# Altium PCB stencil V2.0.PcbDoc (part 1 of 4)
Units mm, origin at the board's own origin, x right, y up, seen from the top; angles counter-clockwise.
Board outline 50 x 79.06 mm, 2 copper layers (Top Layer, Bottom Layer); 235 components, 68 nets, 1097 pads, 384 vias.
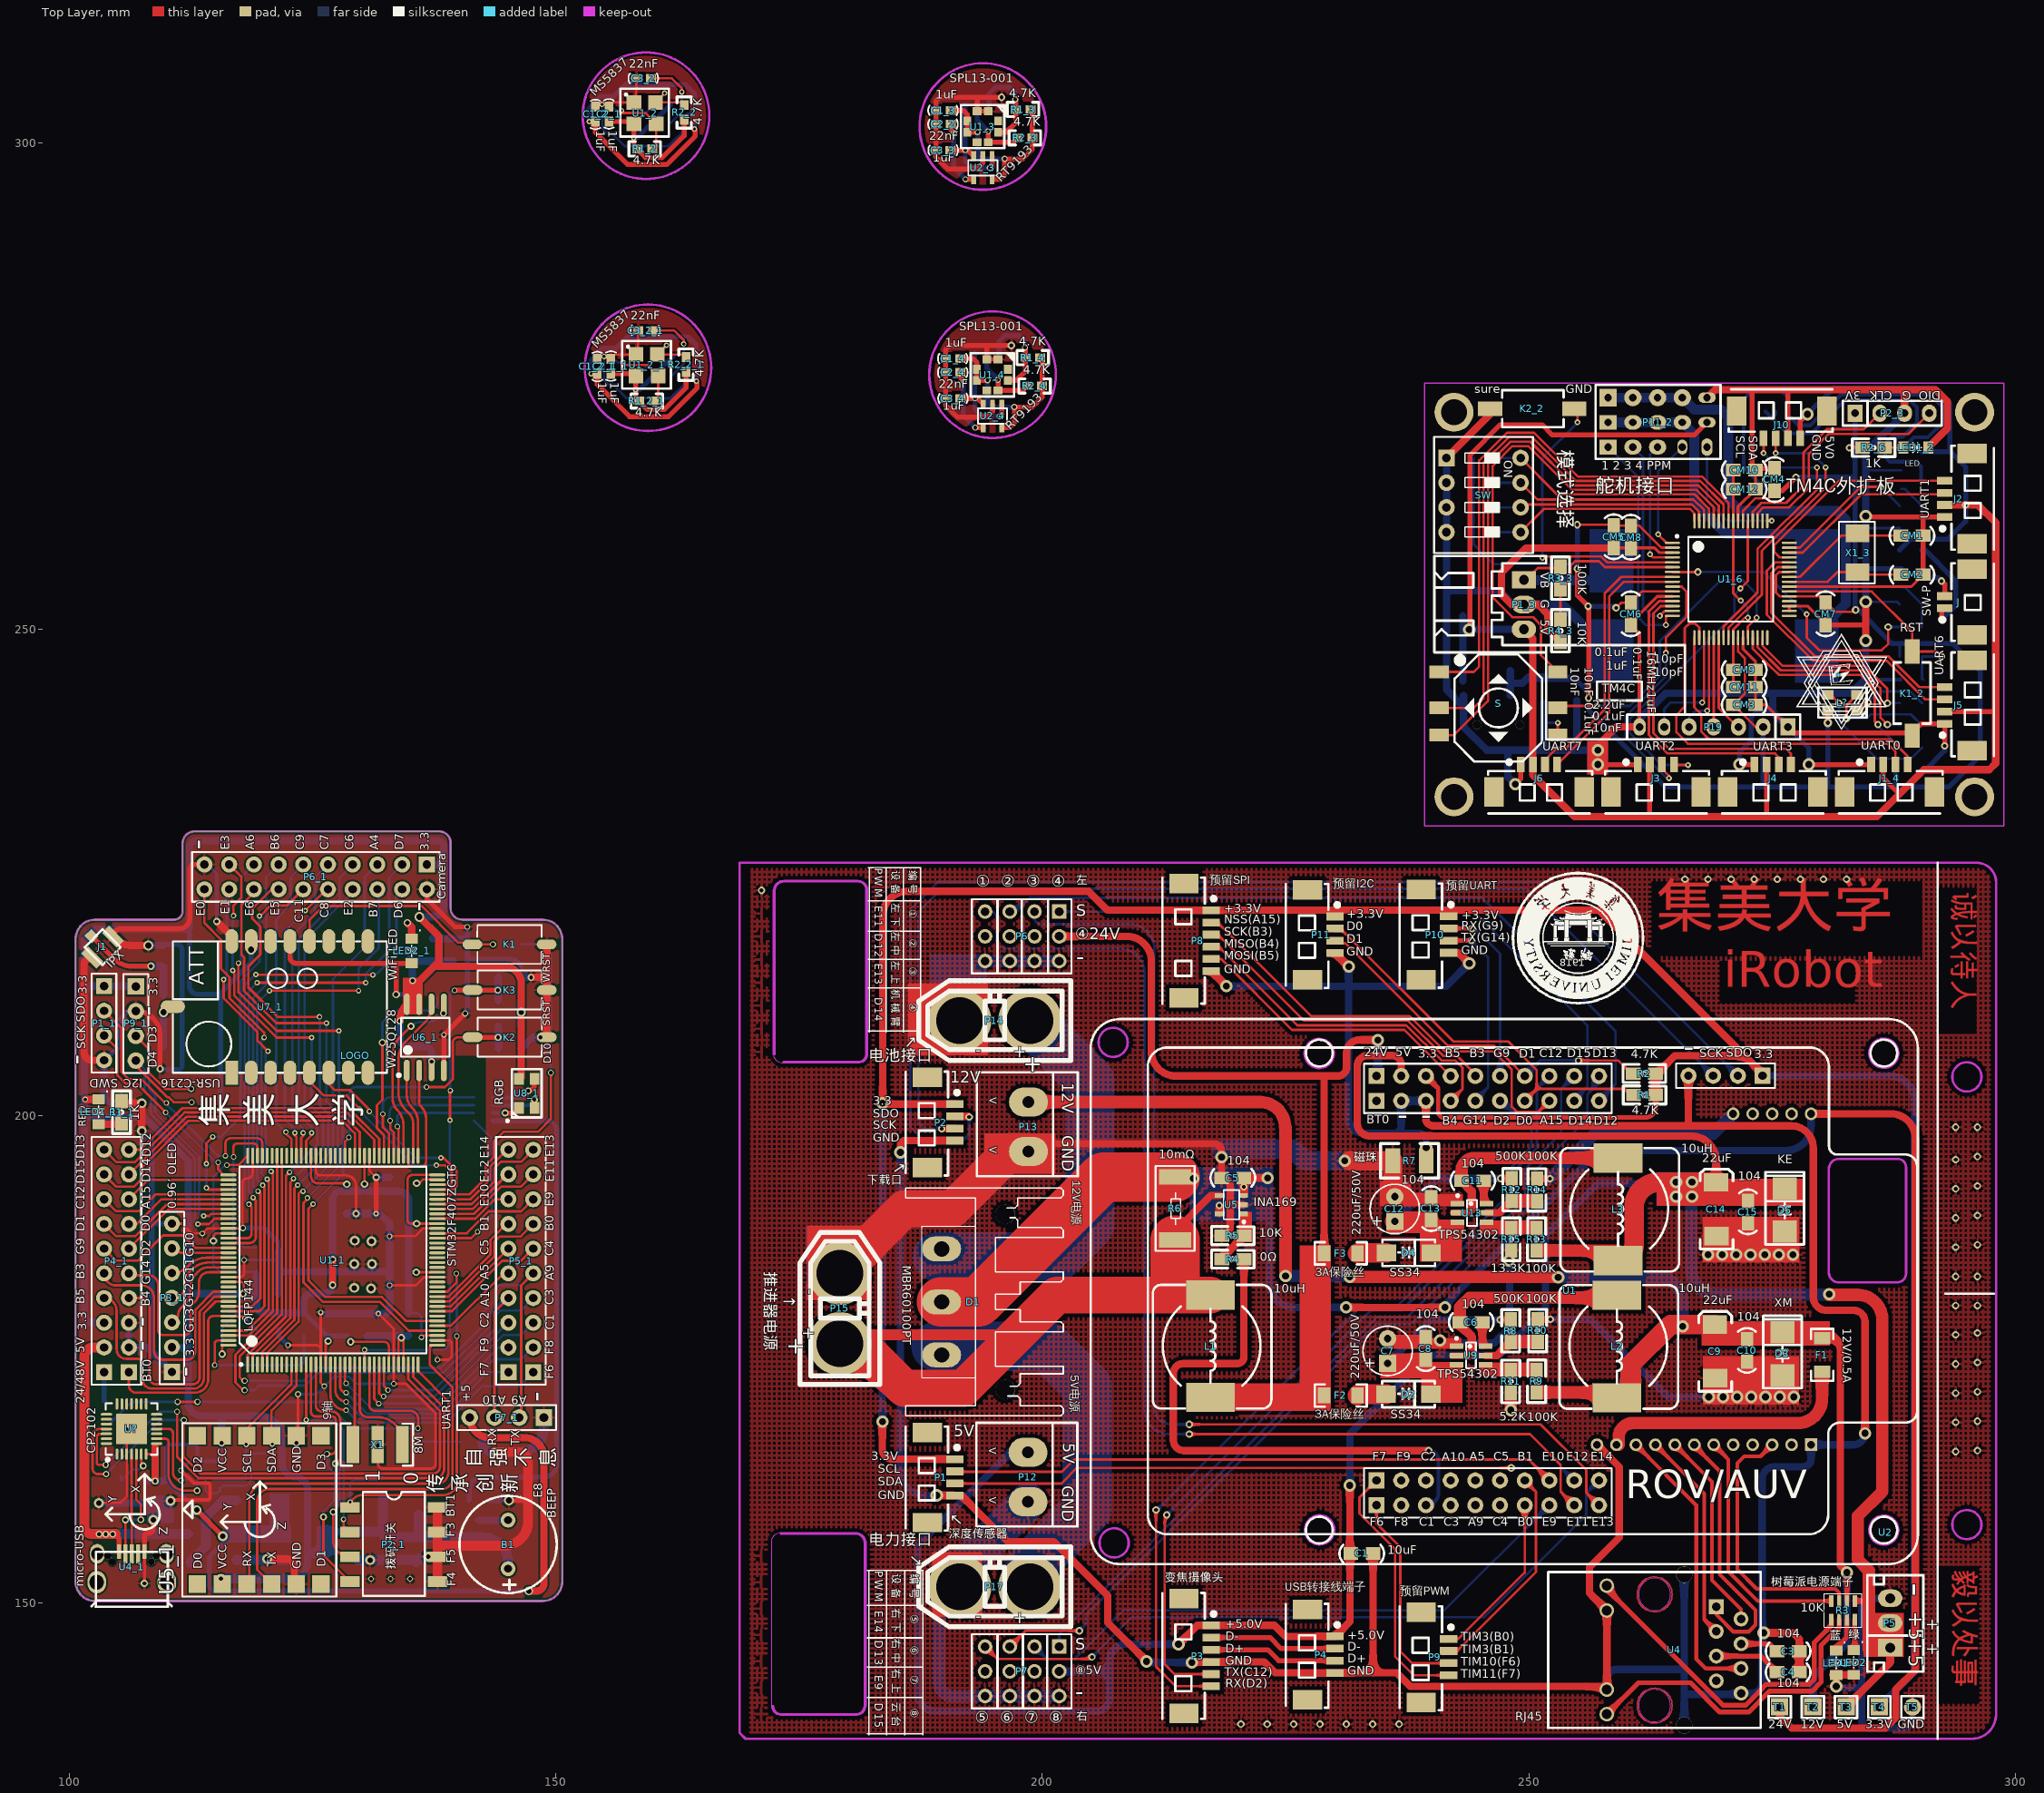
[diagram p0: Top Layer view]
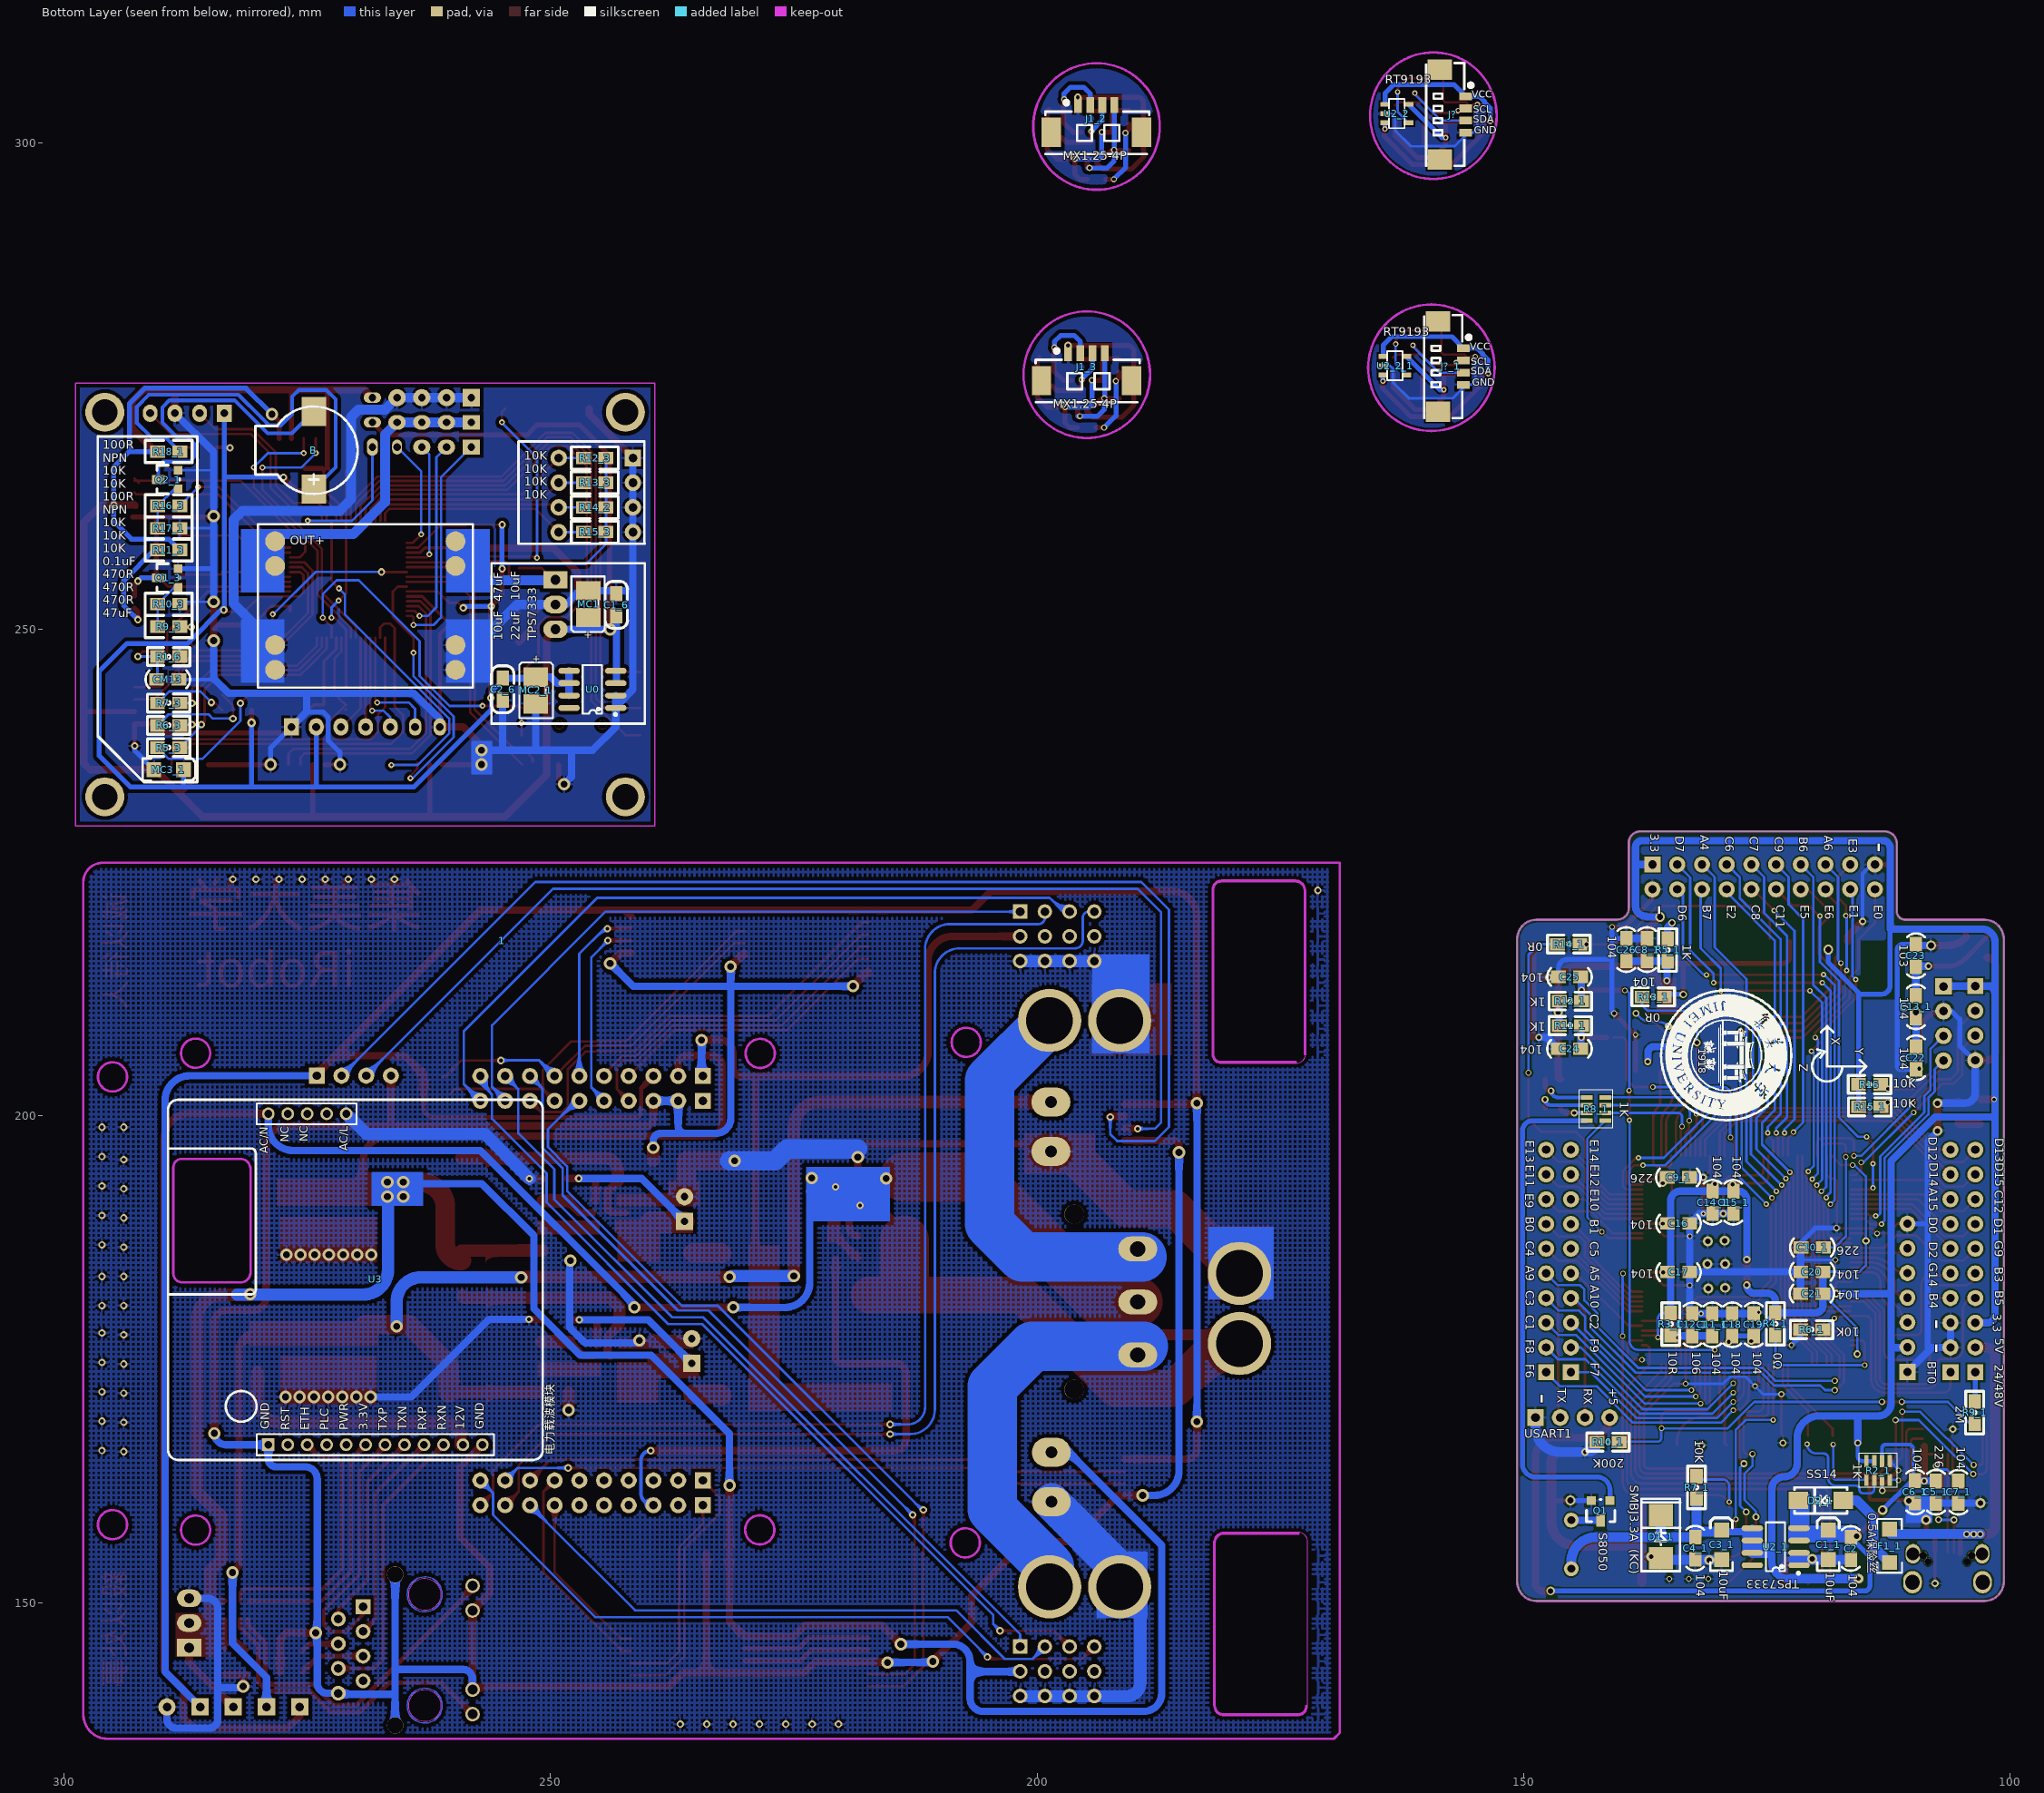
[diagram p1: Bottom Layer view, seen from below]

## Layer stack, top to bottom
Top Solder: solder mask 0.0102, Solder Resist, Dk 3.5
Top Layer: signal copper 0.0356
Dielectric 1: dielectric 0.32, FR-4, Dk 4.8
Bottom Layer: signal copper 0.0356
Bottom Solder: solder mask 0.0102, Solder Resist, Dk 3.5

## Board outline
102.664,150.154 cw(c102.664,152.154) 100.664,152.154 100.664,218.154 cw(c102.664,218.154) 102.664,220.154 110.812,220.154 ccw(c110.812,220.999) 111.657,220.999 111.657,227.985 cw(c112.887,227.985) 112.887,229.215 138.04,229.215 cw(c138.04,228.064) 139.191,228.064 139.191,221.341 ccw(c140.378,221.341) 140.378,220.154 148.664,220.154 cw(c148.664,218.154) 150.664,218.154 150.664,152.154 cw(c148.664,152.154) 148.664,150.154
cut-out: 293.5,204 ccw(c295,204) 295,202.5 ccw(c295,204) 296.5,204 ccw(c295,204) 295,205.5 ccw(c295,204)
cut-out: 293.5,158 ccw(c295,158) 295,156.5 ccw(c295,158) 296.5,158 ccw(c295,158) 295,159.5 ccw(c295,158)
cut-out: 172.191,139.367 172.191,156.259 cw(c172.318,156.259) 172.192,156.272 cw(c173.157,156.234) 173.157,157.2 180.828,157.2 cw(c180.828,156.147) 181.866,156.316 cw(c181.753,156.259) 181.88,156.259 181.88,139.434 cw(c180.813,139.434) 180.813,138.366 173.192,138.366 cw(c173.192,139.367)
cut-out: 173.415,205.385 cw(c173.415,206.438) 172.377,206.269 cw(c172.49,206.326) 172.363,206.326 172.363,223.151 cw(c173.43,223.151) 173.43,224.219 181.051,224.219 cw(c181.051,223.218) 182.052,223.218 182.052,206.326 cw(c181.925,206.326) 182.051,206.313 cw(c181.086,206.351) 181.086,205.385
cut-out: 205.875,156.125 cw(c207.375,156.125) 207.375,157.625 cw(c207.375,156.125) 208.875,156.125 cw(c207.375,156.125) 207.375,154.625 cw(c207.375,156.125)
cut-out: 205.782,207.596 ccw(c207.282,207.596) 207.282,206.096 ccw(c207.282,207.596) 208.782,207.596 ccw(c207.282,207.596) 207.282,209.096 ccw(c207.282,207.596)

## Design rules (kind name [scope] priority, off if disabled: settings)
Clearance [All] p1: gap=0.203
ComponentClearance [All] p1: gap=0 collisioncheckmode=3 verticalgap=0 showdistances=FALSE
DiffPairsRouting [All] p1: maxlimit=0.254 minlimit=0.254 mostfreqgap=0.254 toplayer_minwidth=0.381 toplayer_maxwidth=0.381 toplayer_prefwidth=0.381 bottomlayer_minwidth=0.381 bottomlayer_maxwidth=0.381 bottomlayer_prefwidth=0.381 maxuncoupledlength=12.7
PolygonConnect [All] p1: connectstyle=Relief reliefconductorwidth=0.254 reliefentries=4 polygonreliefangle="90 Angle" airgapwidth=0.254
RoutingVias [All] p1: holewidth=0.711 width=1.27 viastyle="Through Hole" minholewidth=0.711 minwidth=1.27 maxholewidth=0.711 maxwidth=1.27
SolderMaskExpansion [All] p1: expansion=0.102
Width [All] p1: maxlimit=5.08 minlimit=0.254 preferedwidth=0.254
28 further rules are at their usual default settings.

## Classes and differential pairs
component class "Robot-Control V3.0": 1 C1 C3 C4 F1 LED1 LED2 P1 P2 P3 P4 P5 P6 P7 P8 P9 P10 P11 P12 P13 R1 R2 R3 U1 U2 U3 U4
component class "Robot-Power V3.0": C5 C6 C7 C8 C9 C10 C11 C12 C13 C14 C15 D1 D2 D3 D4 D5 F2 F3 L1 L2 L3 P14 P15 P17 R4 R5 R6 R7 R8 R9 R10 R11 R12 R13 R14 R15 T1 T2 T3 T4 T5 U5 U8 U9 U10 U11 U13 U?
differential pair EPHY_RX: +EPHY_RX_P -EPHY_RX_N
differential pair EPHY_TX: +EPHY_TX_P -EPHY_TX_N

## Components (designator, comment, footprint, x,y, rotation, side; value= is the part's Value field where it differs from the comment)
1 "" JMU_LOGO(1.35cm) 255,218 r180 bottom
* "Component_1" logo 281.865,245.135 r0 top locked
B "BUZZ" MLT-9032 274.321,268.376 r270 bottom
B1 "BEEP" BUZZER 145.109,155.969 r90 top
C1 "10uF" 0805C#1 233.858,155.042 r180 top
C1_1 "10uF" TAJ-A 118.702,157.454 r90 bottom (schematic designator C1)
C1_2 "1uF" 0603C 161.234,301.204 r270 top (schematic designator C1)
C1_2_1 "1uF" 0603C 161.434,275.304 r270 top (schematic designator C1)
C1_3 "1uF" 0603C 188.122,296.132 r180 top (schematic designator C1)
C1_4 "1uF" 0603C 189.122,270.632 r180 top (schematic designator C1)
C1_6 "10uF" 0805C#2 243.221,253.626 r270 bottom (schematic designator C1)
C2 "104" 0805C#1 116.379,154.525 r90 bottom
C2_1 "1uF" 0603C 148.305,304.608 r90 top (schematic designator C2)
C2_1_1 "1uF" 0603C 148.505,278.708 r90 top (schematic designator C2)
C2_2 "22nF" 0603C 188.122,294.71 r180 top (schematic designator C2)
C2_4 "22nF" 0603C 189.122,269.21 r180 top (schematic designator C2)
C2_6 "10uF" 0805C#2 254.916,242.696 r90 bottom (schematic designator C2)
C3 "104" 0805C#1 277.659,145 r180 top
C3_1 "10uF" TAJ-A 129.664,157.454 r90 bottom (schematic designator C3)
C3_2 "22nF" 0603C 157.322,299.426 r180 top (schematic designator C3)
C3_2_1 "22nF" 0603C 157.522,273.526 r180 top (schematic designator C3)
C3_3 "1uF" 0603C 191.5,306.369 r0 top (schematic designator C3)
C3_4 "1uF" 0603C 192.5,280.869 r0 top (schematic designator C3)
C4 "104" 0805C#1 277.659,142.841 r180 top
C4_1 "104" 0805C#1 132.364,154.554 r90 bottom (schematic designator C4)
C5 "104" 0805C#1 218.547,193.624 r0 top
C5_1 "226" 0805C#1 107.638,162.357 r270 bottom (schematic designator C5)
C6 "104" 0805C#1 243.052,178.791 r0 top
C6_1 "104" 0805C#1 109.777,162.388 r270 bottom (schematic designator C6)
C7 "220uF/50V" RB.1.2 235.482,174.574 r90 top
C7_1 "104" 0805C#1 105.338,162.357 r270 bottom (schematic designator C7)
C8 "104" 0805C#1 239.394,177.114 r270 top
C8_1 "104" 0805C#1 137.311,216.058 r90 bottom (schematic designator C8)
C9 "22uF" TAJ-C 269.112,178.562 r90 top
C9_1 "226" 0805C#1 133.069,193.68 r0 bottom (schematic designator C9)
C10 "104" 0805C#1 272.414,174.879 r90 top
C10_1 "226" 0805C#1 121.354,186.467 r180 bottom (schematic designator C10)
C11 "104" 0805C#1 243.204,193.319 r0 top
C11_1 "104" 0805C#1 130.614,179.554 r270 bottom (schematic designator C11)
C12 "220uF/50V" RB.1.2 236.219,189.154 r90 top
C12_1 "106" 0805C#1 132.664,179.554 r270 bottom (schematic designator C12)
C13 "104" 0805C#1 239.953,191.491 r270 top
C13_1 "104" 0805C#1 109.701,212.234 r270 bottom (schematic designator C13)
C14 "22uF" TAJ-C 269.239,193.167 r90 top
C14_1 "104" 0805C#1 130.58,190.099 r90 bottom (schematic designator C14)
C15 "104" 0805C#1 272.516,189.103 r90 top
C15_1 "104" 0805C#1 128.446,190.099 r90 bottom (schematic designator C15)
C16 "104" 0805C#1 133.064,188.954 r0 bottom
C17 "104" 0805C#1 133.064,183.952 r0 bottom
C18 "104" 0805C#1 128.564,179.554 r270 bottom
C19 "104" 0805C#1 126.364,179.554 r270 bottom
C20 "104" 0805C#1 121.385,183.978 r180 bottom
C21 "104" 0805C#1 121.411,181.717 r180 bottom
C22 "104" 0805C#1 109.676,204.933 r90 bottom
C23 "103" 0805C#1 109.701,217.48 r270 bottom
C24 "104" 0805C#1 144.259,206.902 r0 bottom
C25 "104" 0805C#1 144.259,214.278 r0 bottom
C26 "104" 0805C#1 139.445,216.058 r90 bottom
CM1 "10pF" 0805C#1 290.385,259.606 r180 top
CM2 "10pF" 0805C#1 290.385,255.606 r180 top
CM3 "10nF" 0805C#1 273.157,242.239 r180 top
CM4 "0.1uF" 0805C#1 275.236,266.394 r270 top
CM5 "10nF" 0805C#1 258.726,258.47 r90 top
CM6 "0.1uF" 0805C#1 260.478,250.545 r90 top
CM7 "1uF" 0805C#1 280.493,250.545 r90 top
CM8 "10nF" 0805C#1 260.478,258.419 r90 top
CM9 "2.2uF" 0805C#1 273.157,245.825 r180 top
CM10 "0.1uF" 0805C#1 273.157,266.344 r180 top
CM11 "0.1uF" 0805C#1 273.157,244.032 r180 top
CM12 "1uF" 0805C#1 273.157,264.388 r180 top
CM13 "0.1uF" 0805C#1 290.349,244.83 r180 bottom
D1 "MBR60100PT" TO-247LS 196.2,189.875 r270 top
D1_1 "SMBJ3.3A  (KC)" SMBJ 135.864,154.554 r0 bottom (schematic designator D1)
D2 "SS34" SMA/DO-214AC 235.508,171.374 r0 top
D2_1 "SS14" SMA/DO-214AC 117.347,160.508 r0 bottom (schematic designator D2)
D3 "XM" SMBJ 276.097,173.355 r180 top
D4 "SS34" SMA/DO-214AC 235.533,185.903 r0 top
D5 "KE" SMBJ 276.326,188.112 r180 top
F1 "12V/0.5A" FUSE-1206 280.175,177.125 r270 top
F1_1 "0.5A保险丝" 1206R 112.444,155.86 r270 bottom (schematic designator F1)
F2 "3A保险丝" FUSE-1206 228.98,171.323 r0 top
F3 "3A保险丝" FUSE-1206 228.98,185.928 r0 top
J "SW-P" MX1.25WS-2P 295.544,252.78 r90 top locked (schematic designator J?)
J1 "IPX" IPX天线底座 102.284,218.555 r315 top
J1_2 "MX1.25-4P" MX1.25-4P 269.347,280.342 r0 top (schematic designator J1)
J1_3 "MX1.25-4P" MX1.25-4P 270.347,254.842 r0 top (schematic designator J1)
J1_4 "UART0" MX1.25WS-4P#1 287.059,233.282 r0 top locked (schematic designator J1)
J2 "UART1" MX1.25WS-4P#1 295.544,263.4 r90 top locked
J3 "UART2" MX1.25WS-4P#1 263.059,233.282 r0 top locked
J4 "UART3" MX1.25WS-4P#1 275.059,233.282 r0 top locked
J5 "UART6" MX1.25WS-4P#1 295.544,242.172 r90 top locked
J6 "UART7" MX1.25WS-4P#1 251.044,233.282 r0 top locked
J10 "UART7" MX1.25WS-4P#1 275.972,272.414 r180 top locked
J? "MX1.25-4P" MX1.25S-4P 158.237,302.862 r270 bottom locked
J?_1 "MX1.25-4P" MX1.25S-4P 158.437,276.962 r270 bottom locked (schematic designator J?)
K1 "WRST" 贴片按键 148.919,217.683 r180 top
K1_2 "RST" SMD-3X6X4.3 289.383,247.7 r270 top (schematic designator K1)
K2 "D10" 贴片按键 141.604,207.998 r0 top
K2_2 "sure" SMD-3X6X4.3 254.662,272.643 r180 top (schematic designator K2)
K3 "SRST" 贴片按键 141.604,212.85 r0 top
L1 "10uH" CDRH124 215.113,179.121 r270 top
L2 "10uH" CDRH124 256.896,179.095 r270 top
L3 "10uH" CDRH124 256.997,193.192 r270 top
L? "RGB" RGB-3528 280.747,243.23 r0 top locked
LED1 "蓝" 0805LED(RED) 281.7,144.998 r270 top
LED1_1 "RED" 0805LED(RED) 103.173,201.605 r270 top (schematic designator LED1)
LED1_2 "LED" 0805LED(RED) 288.568,268.787 r0 top (schematic designator LED1)
LED2 "绿" 0805LED(RED) 283.515,145.034 r270 top
LED2_1 "WiFi-LED" 0805LED(GREEN) 135.254,218.166 r270 top (schematic designator LED2)
LOGO "JMU_LOGO" JMU_LOGO(1.35cm) 129.437,206.177 r270 top
MC1 "47uF" TAJ-B/3528 246.203,252.501 r90 bottom
MC2_1 "22uF" TAJ-B/3528 251.41,243.788 r270 bottom (schematic designator MC2)
MC3_1 "47uF" TAJ-A 287.707,235.559 r180 bottom (schematic designator MC3)
OUT+ "MP1584EN模块" MP1854底座 259.792,245.824 r0 bottom locked (schematic designator DC-DC)
P1 "深度传感器" MX1.25WS-4P#2 188.265,167.513 r270 top
P1_1 "SWD" "Header 4" 103.564,213.354 r0 top (schematic designator P1)
P1_3 "VB   G   5V" XH3/2.54mm/90 249.48,255.066 r270 top locked (schematic designator P1)
P2 "下载口" MX1.25WS-4P#2 188.265,203.987 r270 top
P2_1 "拨码开关" 拨码开关(4位贴片) 128.954,159.652 r0 top (schematic designator P2)
P2_3 "Pin HDR1X4" "Pin HDR1X4/2.54mm-S" 283.516,272.186 r90 top locked (schematic designator P2)
P3 "变焦摄像头" MX1.25WS-6P 214.63,150.322 r270 top
P3_1 "0.96‘ OLED" "Header 7" 110.565,181.336 r180 top (schematic designator P3)
P4 "USB转接线端子" MX1.25WS-4P#2 227.33,149.306 r270 top
P4_1 "" "Header 10X2"#1 106.115,173.654 r180 top (schematic designator P4)
P5 "树莓派电源端子" XH3/2.54mm/180 287.2,145.4 r90 top
P5_1 "" "Header 10X2"#1 147.664,173.654 r180 top (schematic designator P5)
P6 "左" "Header 4X3" 201.76,220.98 r180 top
P6_1 "Camera" "Header 10X2"#2 113.897,223.297 r90 top (schematic designator P6)
P7 "右" "Header 4X3" 201.76,145.466 r180 top
P7_1 "UART1" "Header 4(排母)" 148.819,169.018 r180 top (schematic designator P7)
P8 "预留SPI" MX1.25WS-6P 214.63,223.799 r270 top
P9 "预留PWM" MX1.25WS-4P#2 239.014,149.052 r270 top
P9_1 "I2C" "Header 4(排母)" 106.841,213.33 r270 top (schematic designator P9)
P10 "预留UART" MX1.25WS-4P#2 239.014,223.291 r270 top
P11 "预留I2C" MX1.25WS-4P#2 227.33,223.266 r270 top
P11_2 "Header3*5" HEADER3*5 263.25,268.645 r90 top locked (schematic designator P11)
P12 "5V电源" KF128-2P 198.501,165.557 r270 top
P13 "12V电源" KF128-2P 198.55,201.55 r270 top
P14 "电池接口" XT60-F 199.2,209.8 r180 top
P15 "推进器电源" XT60-F 179.197,176.124 r90 top
P17 "电力接口" XT60-F 199.2,151.613 r180 top
P19 "OLED" Fe-HDR1X7/2.54-S 276.607,239.953 r270 top locked
Q1 "S8050" SOT-23#1 141.197,160.33 r0 bottom
Q1_3 "NPN" SOT-23#2 289.155,255.193 r90 bottom (schematic designator Q1)
Q2_1 "NPN" SOT-23#2 289.155,265.302 r90 bottom (schematic designator Q2)
R1 "4.7K" 0805R#1 262.915,202.159 r180 top
R1_1 "1K" 0805R#1 105.358,201.402 r270 top (schematic designator R1)
R1_2 "4.7K" 0603R 159.862,299.325 r180 top (schematic designator R1)
R1_2_1 "4.7K" 0603R 160.062,273.425 r180 top (schematic designator R1)
R1_3 "4.7K" 0603R 198.739,303.371 r180 top (schematic designator R1)
R1_4 "4.7K" 0603R 199.739,277.871 r180 top (schematic designator R1)
R1_6 "10K" 0805R#1 290.269,247.156 r180 bottom (schematic designator R1)
R2 "4.7K" 0805R#1 262.89,204.368 r180 top
R2_1 "1K" 排阻(4位贴片) 114.764,162.654 r90 bottom (schematic designator R2)
R2_2 "4.7K" 0603R 163.215,303.795 r270 top (schematic designator R2)
R2_2_1 "4.7K" 0603R 163.415,277.895 r270 top (schematic designator R2)
R2_3 "4.7K" 0603R 198.917,300.45 r180 top (schematic designator R2)
R2_4 "4.7K" 0603R 199.917,274.95 r180 top (schematic designator R2)
R2_6 "1K" 0805R#1 284.397,268.63 r0 top (schematic designator R2)
R3 "10K" 排阻(4位贴片) 283.464,150.114 r270 top
R3_1 "10R" 0805R#1 134.864,177.578 r90 bottom (schematic designator R3)
R3_3 "100K" 0805R#1 253.27,254.215 r90 top (schematic designator R3)
R4 "0Ω" 0805R#1 220.6,185.3 r180 top
R4_1 "0Ω" 0805R#1 124.103,177.602 r90 bottom (schematic designator R4)
R4_3 "10K" 0805R#1 253.27,248.805 r90 top (schematic designator R4)
R5 "10K" 0805R#1 220.605,187.706 r180 top
R5_1 "1K" 0805R#1 135.177,216.007 r90 bottom (schematic designator R5)
R5_3 "470R" 0805R#2 290.269,237.85 r180 bottom (schematic designator R5)